# Altium PCB WireFeeder.PcbDoc (part 1 of 2)
Units mil, origin at the board's own origin, x right, y up, seen from the top; angles counter-clockwise.
Board outline 3937.01 x 3937.01 mil, 2 copper layers (Top Layer, Bottom Layer), stack 61.855 mil thick; 130 components, 92 nets, 379 pads, 161 vias.
Unrouted connection lines stored in the file: 1.
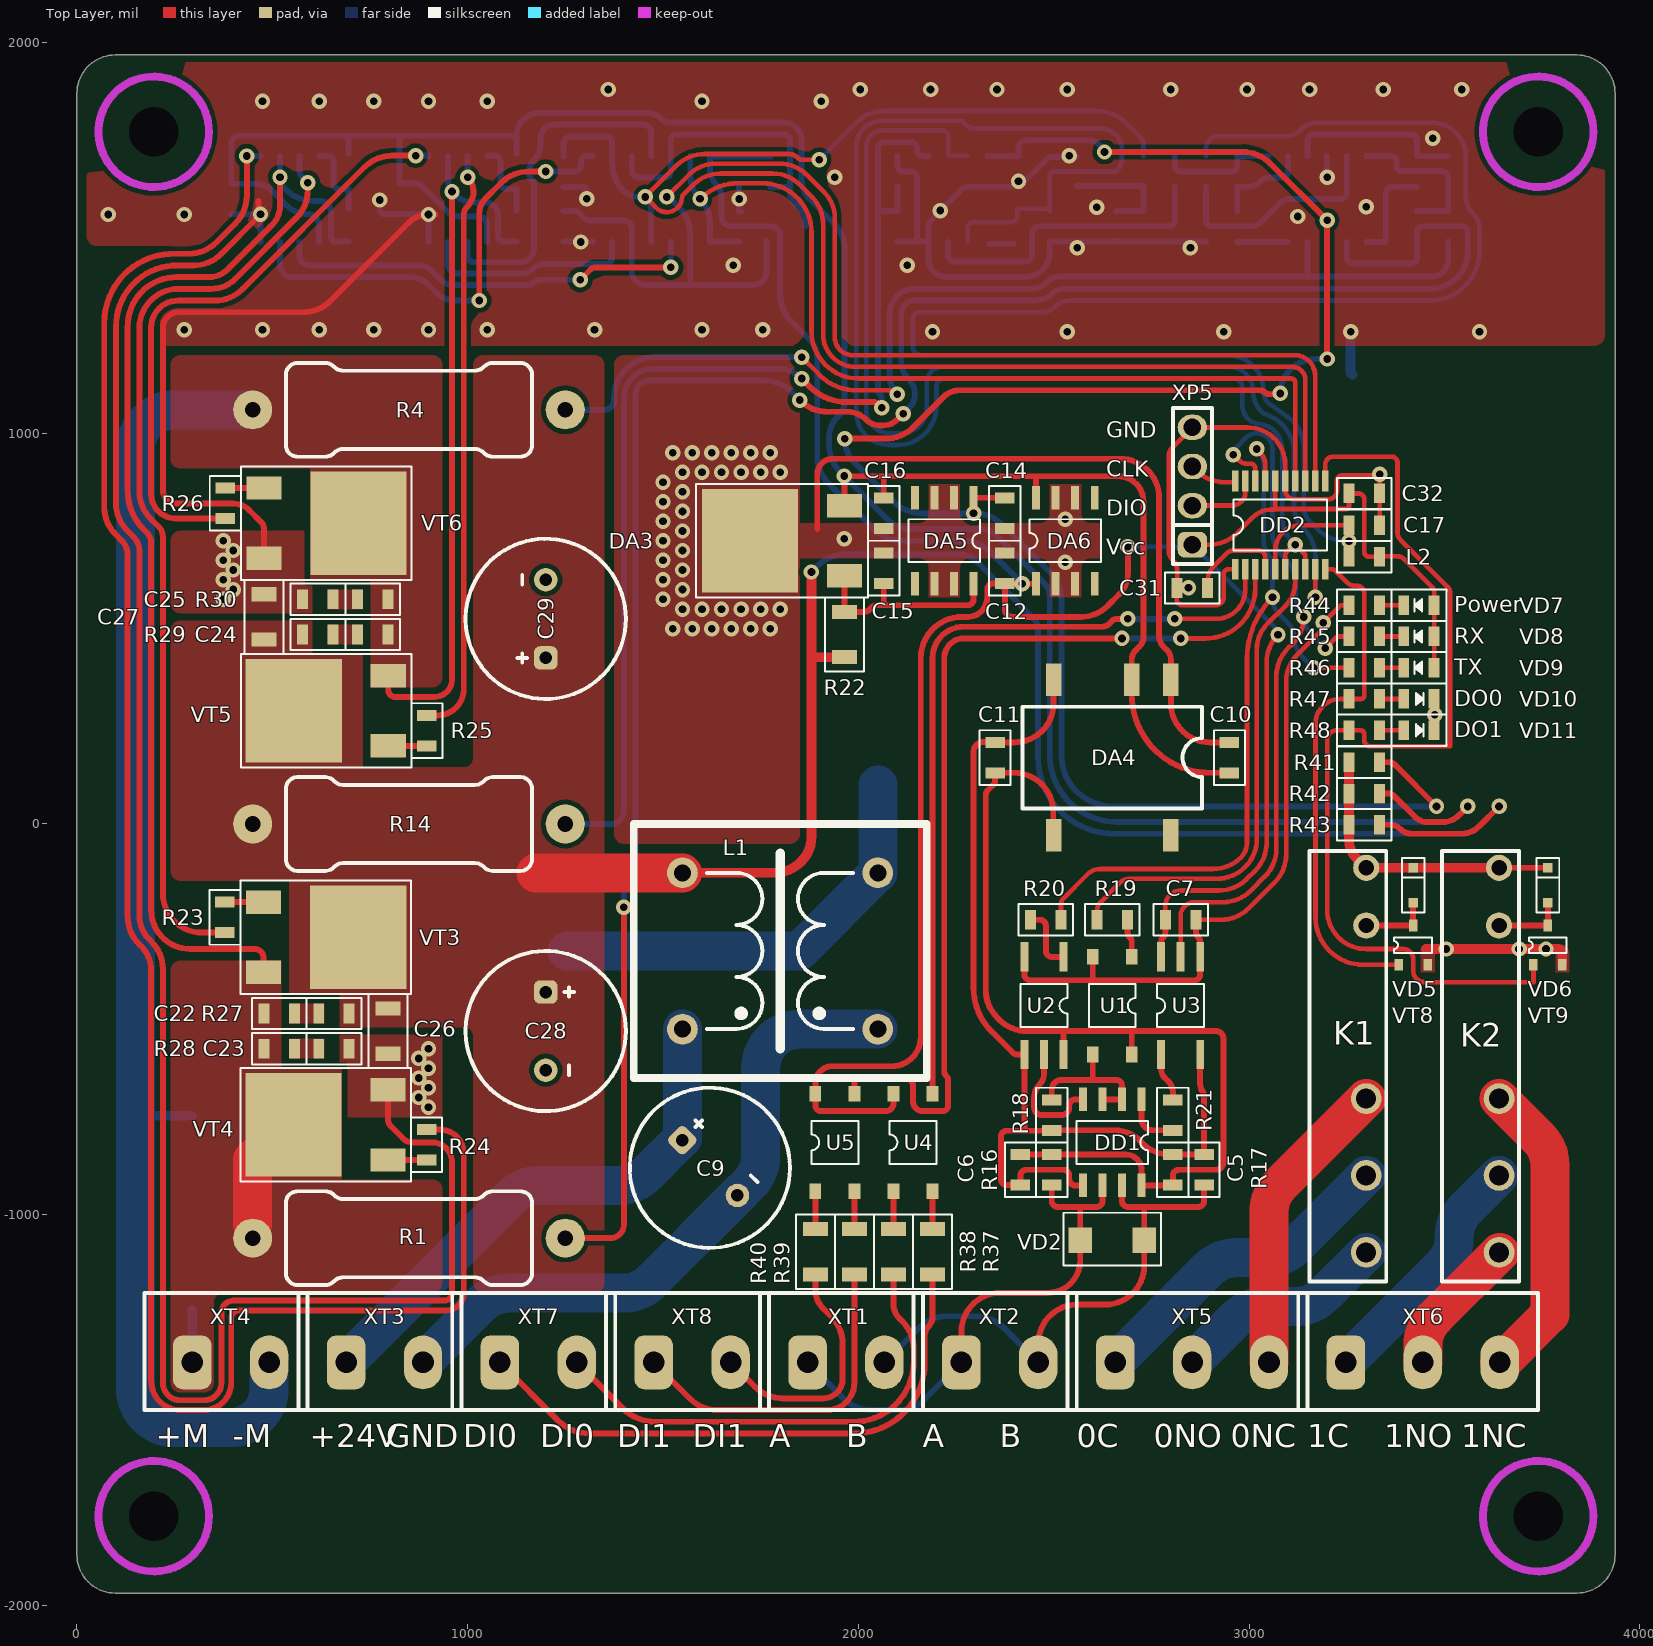
[diagram p0: Top Layer view]
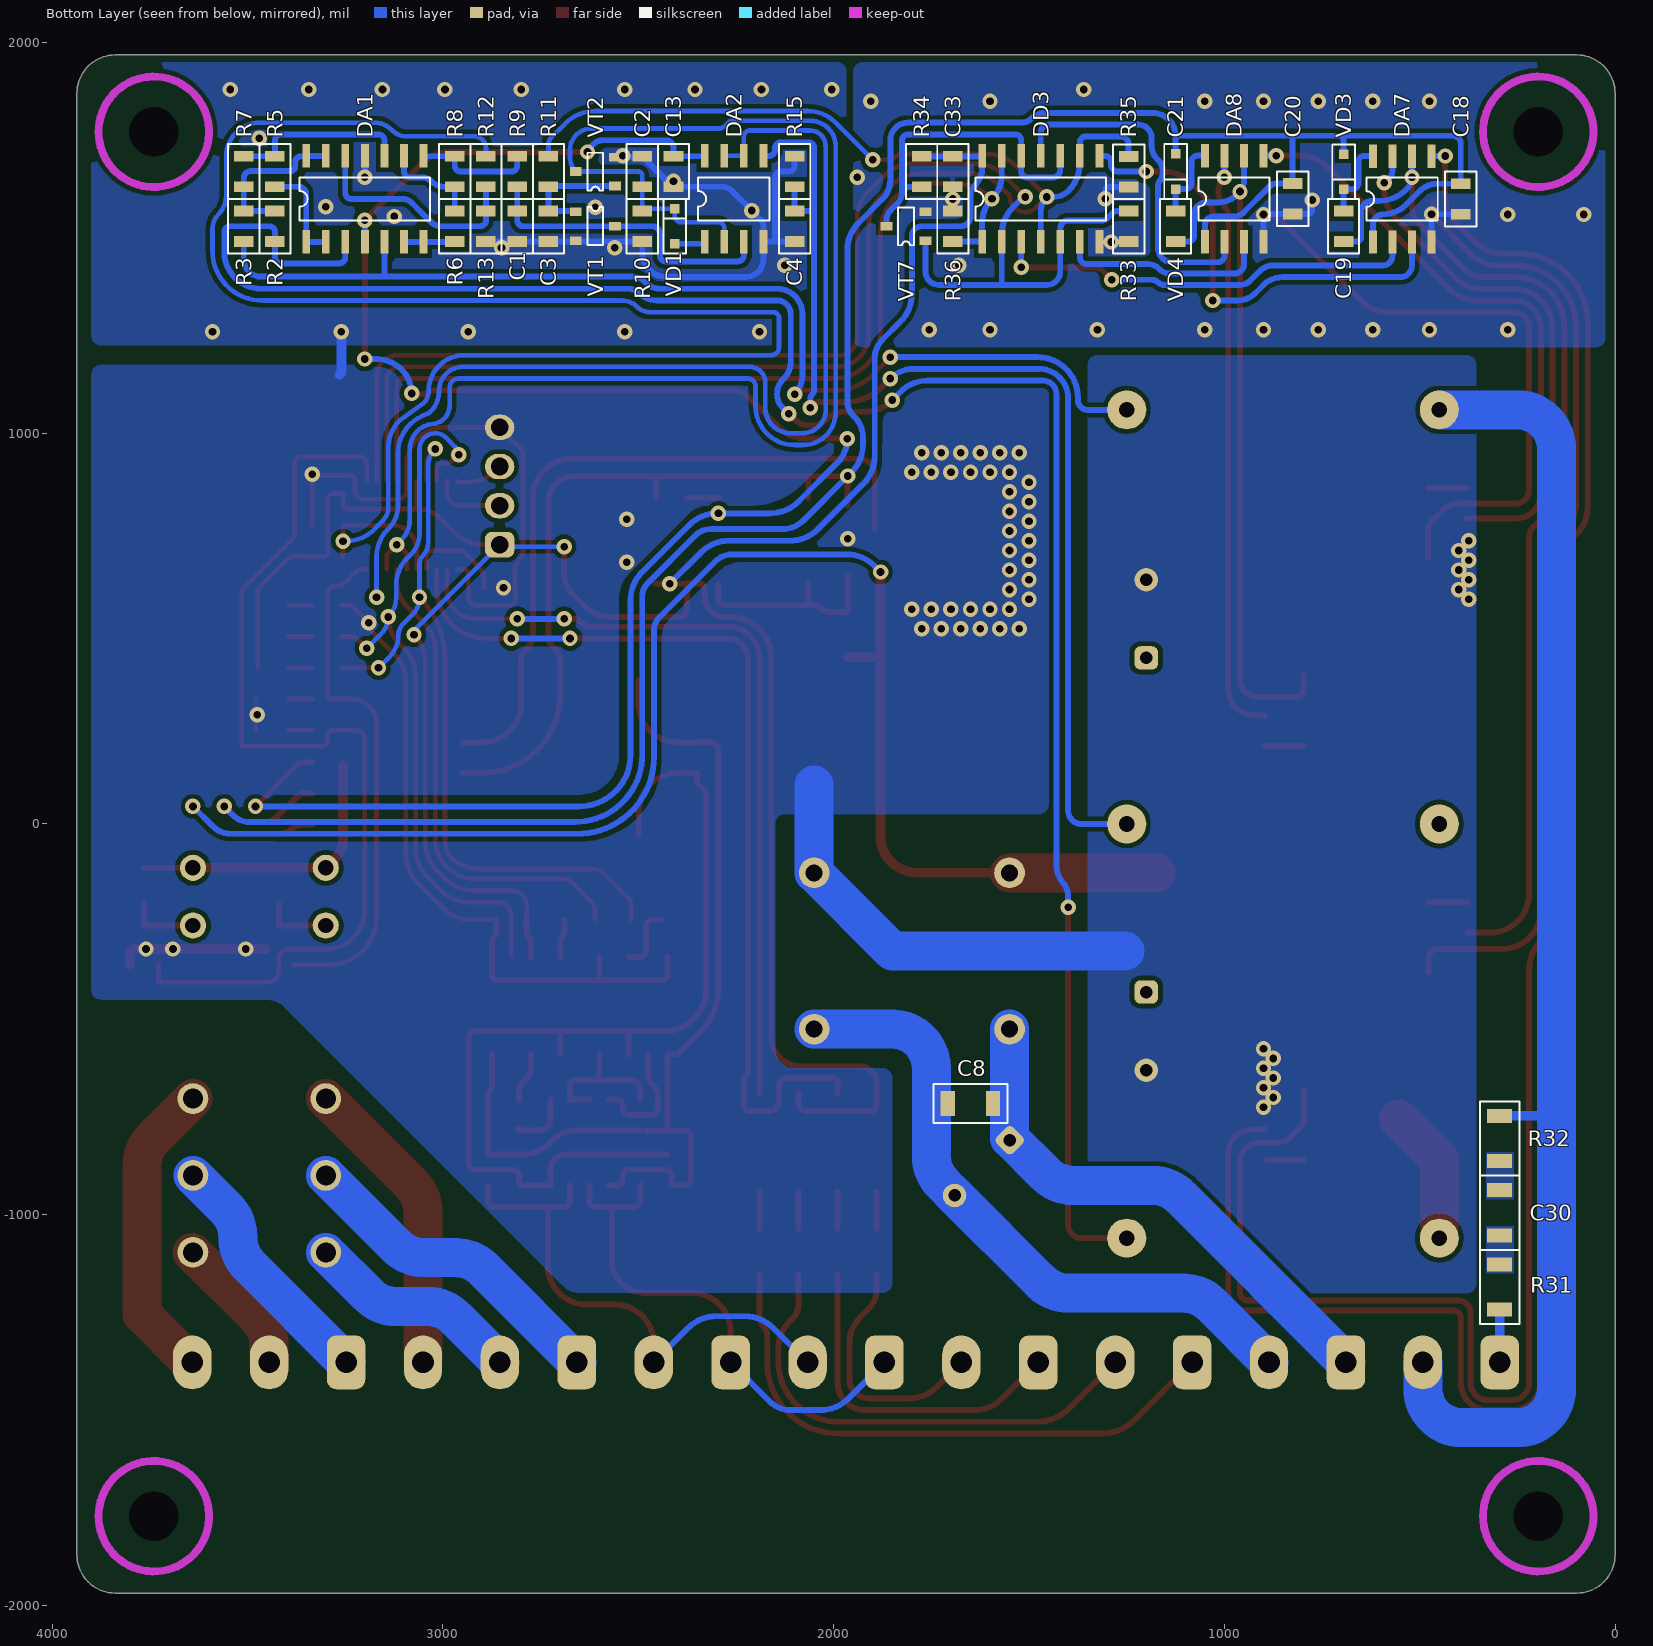
[diagram p1: Bottom Layer view, seen from below]
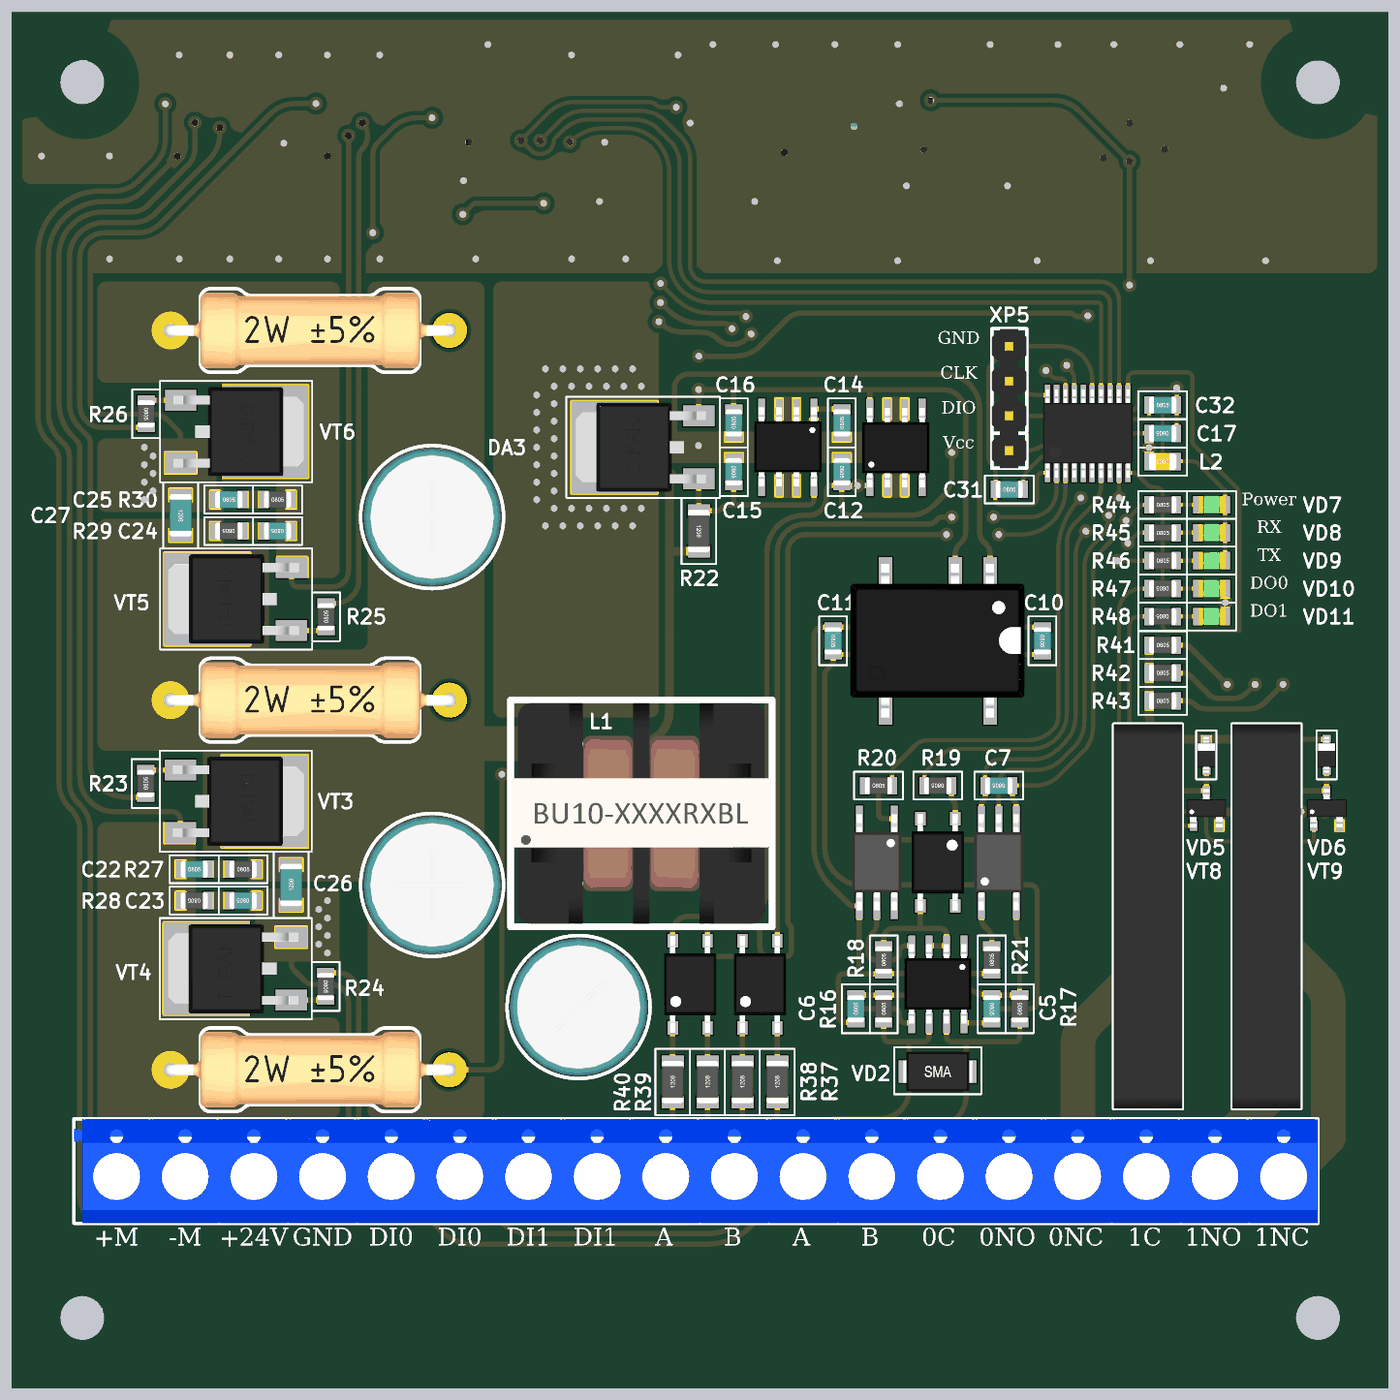
[diagram p3: 3D render of the assembled board from above, using the file's embedded part models]
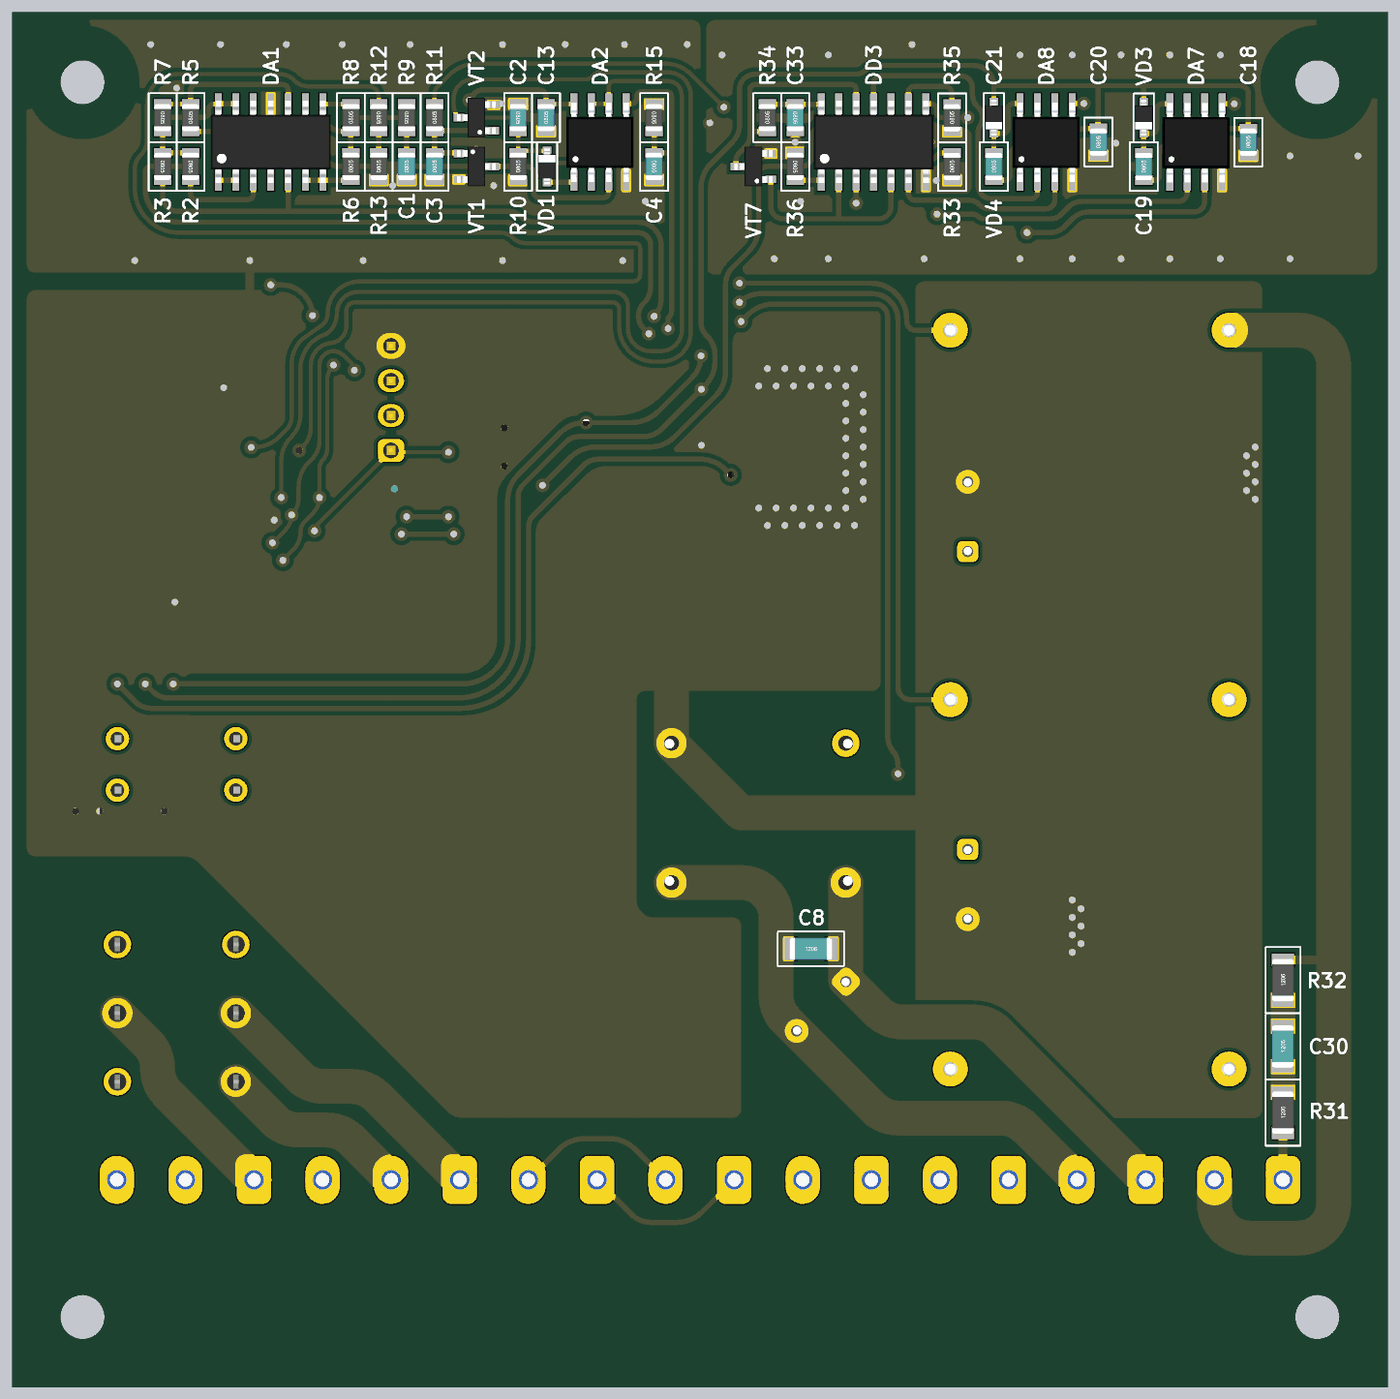
[diagram p4: 3D render of the assembled board from below, using the file's embedded part models]

## Layer stack, top to bottom
Top Solder: solder mask 0.4, Solder Resist, Dk 3.5
Top Layer: signal copper 1.4
Dielectric 1: dielectric 59.0551, FR-4, Dk 4.8
Bottom Layer: signal copper 1.4
Bottom Solder: solder mask 0.4, Solder Resist, Dk 3.5

## Board outline
0,-1870.08 0,1870.08 cw(c98.43,1870.08) 98.43,1968.5 3838.58,1968.5 cw(c3838.58,1870.08) 3937.01,1870.08 3937.01,-1870.08 cw(c3838.58,-1870.08) 3838.58,-1968.5 98.43,-1968.5 cw(c98.43,-1870.08)

## Design rules (kind name [scope] priority, off if disabled: settings)
Clearance [All] p1: gap=12 ignorepadtopadclearanceinfootprint=FALSE except(9: SMDPad-SMDPad; 10: Arc-Arc Arc-Track Arc-SMDPad Track-Track Track-SMDPad)
PolygonConnect [All] p1: connectstyle=Relief reliefconductorwidth=10 reliefentries=4 polygonreliefangle="90 Angle" airgapwidth=10
RoutingVias [All] p1: holewidth=28 width=50 viastyle="Through Hole" minholewidth=15 minwidth=35 maxholewidth=28 maxwidth=50
SolderMaskExpansion [All] p1: expansion=4 istentingtop=FALSE
Width [All] p1: maxlimit=100 minlimit=10 preferedwidth=15
30 further rules are at their usual default settings.

## Components (designator, comment, footprint, x,y, rotation, side; value= is the part's Value field where it differs from the comment)
C1 "CAP0805 100nF±10%, 50 V, X7R" CAP0805 2810,1530 r180 bottom value=100nF
C2 "CAP0805 100nF±10%, 50 V, X7R" CAP0805 2490,1670 r0 bottom value=100nF
C3 "CAP0805 10nF±10%, 50 V, X7R" CAP0805 2730,1530 r180 bottom value=10nF
C4 "CAP0805 1uF±10%, 50 V, X7R" CAP0805 2100,1530 r0 bottom value=1uF
C5 "CAP0805 1uF±10%, 50 V, X7R" CAP0805 2805,-885 r180 top value=1uF
C6 "CAP0805 1uF±10%, 50 V, X7R" CAP0805 2415,-885 r0 top value=1uF
C7 "CAP0805 100nF±10%, 50 V, X7R" CAP0805 2825,-245 r90 top value=100nF
C8 "CAP1206 330nF±10%, 50 V, X7R" CAP1206 1650,-715 r270 bottom value=330nF
C9 "CapAl10X16X5.0mm 330uF, 50 V" CapAl10X16X5.0 1620,-880 r315 top value=330uF
C10 "CAP0805 1uF±10%, 50 V, X7R" CAP0805 2950,170 r180 top value=1uF
C11 "CAP0805 1uF±10%, 50 V, X7R" CAP0805 2350,170 r180 top value=1uF
C12 "CAP0805 1uF±10%, 50 V, X7R" CAP0805 2375,655 r180 top value=1uF
C13 "CAP0805 1uF±10%, 50 V, X7R" CAP0805 2410,1670 r180 bottom value=1uF
C14 "CAP0805 1uF±10%, 50 V, X7R" CAP0805 2375,795 r0 top value=1uF
C15 "CAP0805 1uF±10%, 50 V, X7R" CAP0805 2065,655 r180 top value=1uF
C16 "CAP0805 1uF±10%, 50 V, X7R" CAP0805 2065,795 r0 top value=1uF
C17 "CAP0805 100nF±10%, 50 V, X7R" CAP0805 3295,765 r90 top value=100nF
C18 "CAP0805 100nF±10%, 50 V, X7R" CAP0805 395,1599.63 r180 bottom value=100nF
C19 "CAP0805 100nF±10%, 50 V, X7R" CAP0805 695,1529.63 r180 bottom value=100nF
C20 "CAP0805 100nF±10%, 50 V, X7R" CAP0805 825,1600 r180 bottom value=100nF
C21 "CAP0805 100nF±10%, 50 V, X7R" CAP0805 1125,1529.63 r180 bottom value=100nF
C22 "CAP0805 10nF±10%, 50 V, X7R" CAP0805 518,-485 r270 top value=10nF
C23 "CAP0805 10nF±10%, 50 V, X7R" CAP0805 658,-575 r90 top value=10nF
C24 "CAP0805 10nF±10%, 50 V, X7R" CAP0805 757,485 r90 top value=10nF
C25 "CAP0805 10nF±10%, 50 V, X7R" CAP0805 617,575 r270 top value=10nF
C26 "CAP1206 2,2uF±10%, 50 V, X7R" CAP1206 796,-530 r0 top value=2,2uF
C27 "CAP1206 2,2uF±10%, 50 V, X7R" CAP1206 479,530 r180 top value=2,2uF
C28 "CapAl10X16X5.0mm 330uF, 50 V" CapAl10X16X5.0 1200,-530 r270 top value=330uF
C29 "CapAl10X16X5.0mm 330uF, 50 V" CapAl10X16X5.0 1200,525 r90 top value=330uF
C30 "CAP1206 330nF±10%, 50 V, X7R" CAP1206 295.28,-995 r180 bottom value=330nF
C31 "CAP0805 100nF±10%, 50 V, X7R" CAP0805 2855,604 r270 top value=100nF
C32 "CAP0805 100nF±10%, 50 V, X7R" CAP0805 3295,846 r270 top value=100nF
C33 "CAP0805 100nF±10%, 50 V, X7R" CAP0805 1695,1670 r0 bottom value=100nF
DA1 "TL084 (±18 V)" "SO-14 Narrow" 3200,1600 r180 bottom
DA2 "TL072 (±5 V to ±15 V)" "SO-8 Narrow" 2255,1600 r180 bottom
DA3 "L78M12 (D-PAK)" D-PAK 1805,725 r90 top
DA4 "B1205XT-1WR2 (12 V, 5 V)" B_XT-1WR2 2650,170 r180 top
DA5 "L78L05 (SO-8 Narrow)" "SO-8 Narrow" 2220,725 r180 top
DA6 "L78L33 (SO-8 Narrow)" "SO-8 Narrow" 2530,725 r0 top
DA7 "IRS2005(SO-8 Narrow)" "SO-8 Narrow" 545,1599.63 r180 bottom
DA8 "IRS2005(SO-8 Narrow)" "SO-8 Narrow" 975,1600 r180 bottom
DD1 "MAX485 (2.5 Mbit, 4.75 V ... 5.25 V )" "SO-8 Narrow" 2650,-815 r180 top
DD2 "STM32F030F4P6" TSSOP-20 3080,765 r0 top
DD3 "SN74HC08(SO-14 Narrow)" "SO-14 Narrow" 1470,1600 r180 bottom
K1 "PCB Power Relays 34.51.7.005.00 (Current:6 A, Coil: 5VDC, Form:SPDT (1C); Size: 28X5X15mm)" 34.51 3300,-620 r270 top
K2 "PCB Power Relays 34.51.7.005.00 (Current:6 A, Coil: 5VDC, Form:SPDT (1C); Size: 28X5X15mm)" 34.51 3640,-620 r270 top
L1 "Common Mode Chokes 19*17*22,5mm: 180uH, 1.2A" BU10 1800,-325 r0 top value=180uH
L2 "IND0805 0805 (2.0*1.25mm) 1.0u" IND0805 3295,684 r90 top value=1.0u
R1 "RES2W (16*5.5mm)  82K±5%" "RES2W (800mil)" 850,-1060 r270 top value=82K
R2 "RES0805 9K09±1%" RES0805 3430,1530 r0 bottom value=9K09
R3 "RES0805 9K09±1%" RES0805 3510,1530 r0 bottom value=9K09
R4 "RES2W (16*5.5mm)  82K±5%" "RES2W (800mil)" 850,1060 r270 top value=82K
R5 "RES0805 9K09±1%" RES0805 3430,1670 r180 bottom value=9K09
R6 "RES0805 9K09±1%" RES0805 2970,1530 r180 bottom value=9K09
R7 "RES0805 9K09±1%" RES0805 3510,1670 r0 bottom value=9K09
R8 "RES0805 9K09±1%" RES0805 2970,1670 r180 bottom value=9K09
R9 "RES0805 9K09±1%" RES0805 2810,1670 r0 bottom value=9K09
R10 "RES0805 100K±5%" RES0805 2490,1530 r180 bottom value=100K
R11 "RES0805 51K±5%" RES0805 2730,1670 r180 bottom value=51K
R12 "RES0805 9K09±1%" RES0805 2890,1670 r0 bottom value=9K09
R13 "RES0805 9K09±1%" RES0805 2890,1530 r180 bottom value=9K09
R14 "RES2W (16*5.5mm)  82K±5%" "RES2W (800mil)" 850,0 r270 top value=82K
R15 "RES0805 9K09±1%" RES0805 2100,1670 r0 bottom value=9K09
R16 "RES0805 1K0±5%" RES0805 2495,-885 r0 top value=1K0
R17 "RES0805 1K0±5%" RES0805 2885,-885 r0 top value=1K0
R18 "RES0805 1K0±5%" RES0805 2495,-745 r0 top value=1K0
R19 "RES0805 1K0±5%" RES0805 2650,-245 r90 top value=1K0
R20 "RES0805 1K0±5%" RES0805 2480,-245 r270 top value=1K0
R21 "RES0805 1K0±5%" RES0805 2805,-745 r0 top value=1K0
R22 "RES1206 75R±5%" RES1206 1965,485 r180 top value=75R
R23 "RES0805 100R±5%" RES0805 379,-239 r0 top value=100R
R24 "RES0805 100R±5%" RES0805 895,-821 r180 top value=100R
R25 "RES0805 100R±5%" RES0805 896,239 r0 top value=100R
R26 "RES0805 100R±5%" RES0805 380,821 r180 top value=100R
R27 "RES0805 100R±5%" RES0805 658,-485 r270 top value=100R
R28 "RES0805 100R±5%" RES0805 518,-575 r90 top value=100R
R29 "RES0805 100R±5%" RES0805 617,485 r90 top value=100R
R30 "RES0805 100R±5%" RES0805 757,575 r270 top value=100R
R31 "RES1206 75R±5%" RES1206 295.28,-1185 r180 bottom value=75R
R32 "RES1206 75R±5%" RES1206 295.28,-805 r180 bottom value=75R
R33 "RES0805 10K±5%" RES0805 1245,1529.63 r180 bottom value=10K
R34 "RES0805 10K±5%" RES0805 1775,1670 r180 bottom value=10K
R35 "RES0805 10K±5%" RES0805 1245,1669.63 r180 bottom value=10K
R36 "RES0805 10K±5%" RES0805 1695,1530 r0 bottom value=10K
R37 "RES1206 5K1±5%" RES1206 2190,-1095 r0 top value=5K1
R38 "RES1206 5K1±5%" RES1206 2090,-1095 r0 top value=5K1
R39 "RES1206 5K1±5%" RES1206 1990,-1095 r0 top value=5K1
R40 "RES1206 5K1±5%" RES1206 1890,-1095 r0 top value=5K1
R41 "RES0805 0R±5%" RES0805 3295,158 r270 top value=0R
R42 "RES0805 0R±5%" RES0805 3295,78 r270 top value=0R
R43 "RES0805 0R±5%" RES0805 3295,-2 r270 top value=0R
R44 "RES0805 510R±5%" RES0805 3295,560 r270 top value=510R
R45 "RES0805 510R±5%" RES0805 3295,480 r270 top value=510R
R46 "RES0805 510R±5%" RES0805 3295,400 r270 top value=510R
R47 "RES0805 510R±5%" RES0805 3295,320 r90 top value=510R
R48 "RES0805 510R±5%" RES0805 3295,240 r90 top value=510R
U1 "LTV183 (80 V, 50 mA)" SOP-4 2650,-465 r180 top
U2 "TLP2355 (5 Mbit, 2.7 V ... 5.5 V )" "SO-6 5pin" 2475,-465 r180 top
U3 "TLP2355 (5 Mbit, 2.7 V ... 5.5 V )" "SO-6 5pin" 2825,-465 r0 top
U4 "LTV-354T (35 V, 50 mA)" SOP-4 2140,-815 r0 top
U5 "LTV-354T (35 V, 50 mA)" SOP-4 1940,-815 r0 top
VD1 "BAS316 (100 V, 250 mA, SOD-323)" SOD-323 2407,1530 r90 bottom
VD2 "SMAJ6.5CA (6.5 V, 400 W, SMA Bidirectional)" "SMA Bidirectional" 2650,-1065 r0 top